# KiCad board 2x2RemotePanel.kicad_pcb (continued)
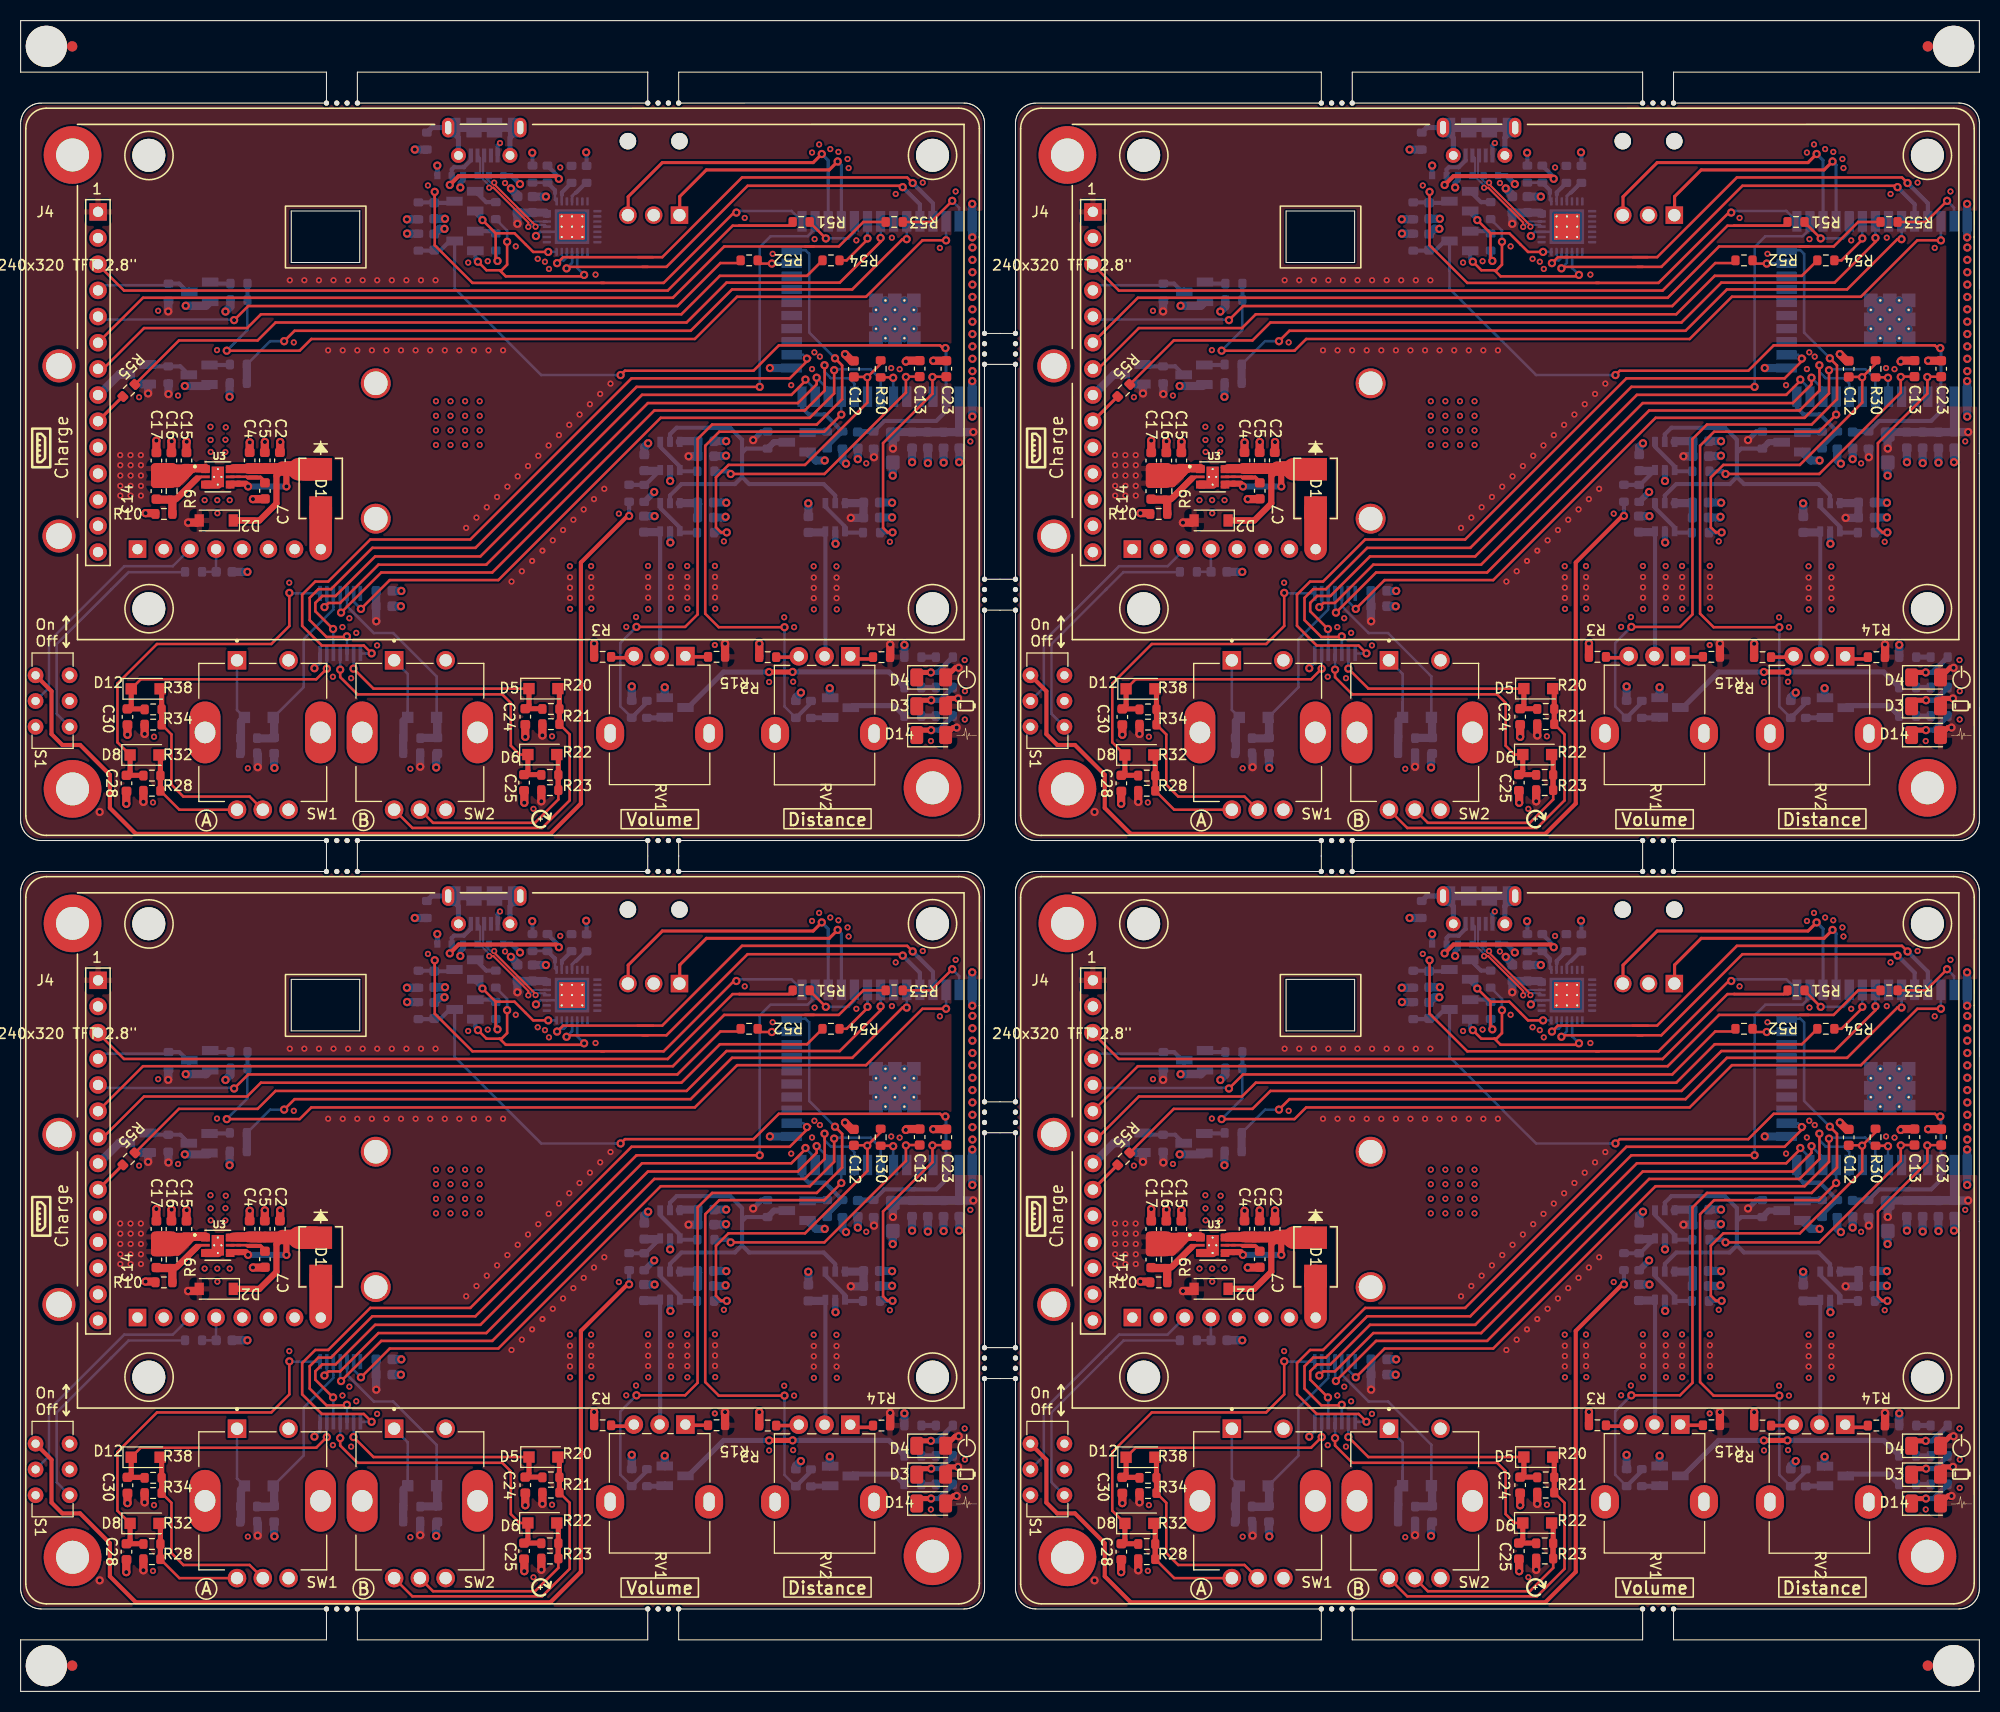
[diagram p0: board, top side]
## Routing (per net, layer and track width the routed paths; a pad name or vN(x,y) marks a point on that pad's centre or on a via; arc(x,y) is an arc through that point) (continued)
Board_2-+5V: length 4
  Top w0.25: 29.11,36.29 J1#2.8
  Top w2.2: D1.2 29.11,36.29
Board_2-/D+: length 10.5
  Top w0.2: v1(45.94,71.85) 45.94,71.7 49.95,67.69 v1(49.95,67.58)
  Bottom w0.2: J3#3.3 44.87,74.39 44.87,72.57 45.59,71.85 v1(45.94,71.85) ; v1(49.95,67.58) 50.13,67.76 50.86,67.76 U6#3.4
Board_2-/D-: length 11.4
  Top w0.2: v1(49.25,67.56) 49.25,67.98 45.87,71.36 v1(45.46,71.36)
  Bottom w0.2: U6#3.5 49.77,68.08 v1(49.25,67.56) ; D11#3.2 44.5,72.53 45.46,71.56 v1(45.46,71.36) ; J3#3.2 44.58,74.23 44.58,72.55 44.56,72.53
Board_2-ADC0: length 33.1
  Top w0.25: R30#4.1 83.43,54.27 v2(82.13,52.97) 82.1,53 ; 82.1,53 82.14,52.96 82.14,50.51 76.09,44.46 68.67,44.46 67.45,43.24 67.45,38.41 67.95,37.91 v2(68.5,37.91) 68.69,37.91 ; 82.1,53 C12.2
  Bottom w0.25: 68.48,37.89 v2(68.5,37.91) ; v2(82.13,52.97) 82.13,51.11 U7.9
  Bottom w0.4: R6.2 68.48,37.89
Board_2-ADC1: length 26.9
  Top w0.25: v2(85.88,52.99) 85.88,51.48 77.97,43.58 v2(68.88,43.58) ; v2(85.88,52.99) 85.86,53.01 ; v2(85.88,52.99) 85.91,53.03 C13#3.2
  Bottom w0.25: 68.83,43.53 v2(68.88,43.58) 68.88,43.6 ; U7.6 85.88,51.17 v2(85.88,52.99)
  Bottom w0.4: v2(68.88,43.58) 68.62,43.84 R7#3.2
Board_2-ADC2: length 22.2
  Top w0.25: v2(84.58,37.91) 84.1,37.91 83.66,38.35 83.66,46.58 88.45,51.37 v2(88.45,52.99) 88.48,53.02 C23#2.2
  Bottom w0.25: v2(88.45,52.99) 88.5,52.94 U7.4 ; 84.56,37.89 v2(84.58,37.91)
  Bottom w0.4: R16#4.2 84.56,37.89
Board_2-DTR: length 13.7
  Top w0.25: 46.08,66.94 47.91,66.94 49.72,65.13 v2(51.18,65.13) ; 46.08,66.94 46.08,64.43 v2(46.26,64.25) ; 46.08,66.94 v2(44.8,68.22)
  Bottom w0.25: v2(51.18,65.13) U6#3.28 ; 46.24,65.13 R45#2.1 ; Q5.2 44.11,68.91
  Bottom w0.4: 44.11,68.91 v2(44.8,68.22) ; v2(46.26,64.25) 46.1,64.41 R45#2.1
Board_2-EN_: length 79.9
  Top w0.25: v2(58.2,53.18) 58.62,53.6 71.09,53.6 73.55,56.06 89.19,56.06 89.68,55.57
  Top w0.3: v2(89.71,55.8) 89.68,55.77 89.68,55.57
  Bottom w0.25: 40.06,65.25 C35#4.2 ; v2(58.2,53.18) 50.5,53.18 42.1,61.57 Q6#2.3 41.63,66.19
  Bottom w0.3: v2(89.71,55.8) 89.77,55.74 U7.3 ; Q6#2.3 42.1,63.35
  Bottom w0.4: U7.3 89.77,49.67 88.83,48.73 86.38,48.73 ; C35#4.2 40.76,65.31 41.63,66.19 ; R48#4.2 40.06,65.25 ; 86.73,48.73 83.79,48.73 R26#3.2
  Bottom w0.5: 82.93,47.69 81.44,47.69
Board_2-Enc1A: length 72.7
  Top w0.25: v2(34.05,26.17) 33.29,26.93 29.22,26.93 27.31,28.84 27.31,31.87 28.58,33.14 29.84,33.14 33.92,37.22 43.62,37.22 59.26,52.86 74.61,52.86 76.58,54.83 76.32,54.83 v2(76.27,54.77)
  Bottom w0.25: U5#4.1 34.04,26.15 v2(34.05,26.17) ; v2(76.27,54.77) 75.9,55.14 U7.16
Board_2-Enc1A_: length 23.1
  Top w0.25: D5#2.1 34.23,22.75 v2(32.29,24.68)
  Top w0.5: R20#3.1 50.59,20.8 C24#2.1 49.32,21.16 D5#2.1
  Bottom w0.25: v2(32.29,24.68) 32.3,24.69 U5#4.2
Board_2-Enc1B: length 80.7
  Top w0.25: v2(31.65,27.82) 31.59,27.76 29.68,27.76 28.04,29.39 28.04,31.56 28.88,32.4 30.11,32.4 34.12,36.41 44.12,36.41 59.74,52.03 v2(71.69,52.03)
  Bottom w0.25: U7.26 77.07,67.37 76.35,66.64 72.74,66.64 71.69,65.6 v2(71.69,52.03) ; U5#4.3 31.66,27.8 v2(31.65,27.82)
Board_2-Enc1B_: length 29.8
  Top w0.25: D6#2.1 48.41,16.35 47.55,17.21 47.55,21.36 46.72,22.19 32.68,22.19 31,23.86 v2(31,24.59)
  Top w0.5: D6#2.1 49.21,14.77 C25.1 50.49,14.4 R22#2.1
  Bottom w0.25: v2(31,24.59) U5#4.4
Board_2-Enc2A: length 61.1
  Top w0.25: v2(77.22,52.92) 77.22,52.27 75.4,50.46 60.85,50.46 45.17,34.78 34.71,34.78 30.99,31.06 29.87,31.06 v2(29.47,30.65)
  Bottom w0.25: v2(29.47,30.65) 29.7,30.88 U5#4.9 ; U7.12 78.34,51.8 v2(77.22,52.92)
Board_2-Enc2A_: length 36.4
  Top w0.25: v2(26.07,32.04) 26.07,28.83 24.32,27.08 13.23,27.08 9.39,23.24 9.39,17.53 D8#2.1 ; 11.82,14.28 11.85,14.31
  Top w0.5: D8#2.1 10.62,14.68 C28.1 11.89,14.33 R28#3.1
  Bottom w0.25: v2(26.07,32.04) 26.11,32 U5#4.8
Board_2-Enc2B: length 64.3
  Top w0.25: v2(76.13,52.74) 76.13,52.62 74.76,51.26 60.28,51.26 44.6,35.58 34.39,35.58 30.55,31.74 29.26,31.74 28.59,31.07 28.59,30.25 v2(30.31,28.53)
  Bottom w0.25: v2(30.31,28.53) 30.34,28.5 U5#4.5 ; U7.13 77.07,51.8 v2(76.13,52.74)
Board_2-Enc2B_: length 26.9
  Top w0.25: v2(29.7,24.68) 28.68,23.65 11.66,23.65 D12#3.1
  Top w0.35: C30#3.1 10.39,20.75 11.97,20.75
  Top w0.5: C30#3.1 10.73,21.14 D12#3.1 ; C30#3.1 10.14,20.78 ; C30#3.1 11.98,20.78 R34#4.1
  Bottom w0.25: U5#4.6 v2(29.7,24.68)
Board_2-ESP32_RXD0: length 46.3
  Top w0.25: 59.88,64.62 62.24,64.62 69.98,72.36 85.99,72.36 v2(86.54,71.81) ; v2(52.04,64.04) 52.62,64.62 53.6,64.62 ; 61.34,64.62 53.21,64.62
  Bottom w0.25: v2(52.04,64.04) 52.31,64.31 52.69,64.31 52.99,64.61 U6#3.26
  Bottom w0.4: v2(86.54,71.81) 88.5,69.85 U7.35
Board_2-ESP32_TXD0: length 42.3
  Top w0.25: v2(85.57,71.41) 85.43,71.55 70.52,71.55 62.65,63.68 60.34,63.68 ; v2(52.96,63.53) 53.1,63.68 60.82,63.68
  Bottom w0.25: U6#3.25 53.49,64.06 v2(52.96,63.53)
  Bottom w0.4: U7.34 87.23,69.75 v2(85.57,71.41)
Board_2-GND: length 128.5
  Top w0.4: 17.71,42.67 17.71,42.44
  Top w0.8: C15#3.1 16.09,46.69 v2(16.11,46.71) ; v2(10.25,11.58) 10.25,12.76 C28.2 ; 71.66,25.73 v2(71.66,27.1) ; v2(14.65,46.76) 14.63,46.74 C16.1 ; 13.07,39.78 v2(12.12,39.78) ; C23#2.1 v2(88.53,54.57) ; 23.67,41.14 v2(22.54,41.14) ; 48.96,19.27 v2(48.96,18.07) ; v2(85.87,54.49) 85.95,54.58 C13#3.1 ; C17#3.1 v2(13.17,46.82) ; 55.63,25.75 v2(55.63,27.12) ; 48.86,12.77 v2(48.86,11.67) ; C30#3.2 v2(10.37,18.28) ; 25.18,45.64 v2(25.18,46.68) ; C12.1 80.63,54.55 v2(79.97,55.2) ; 19.17,42.55 17.91,42.55 ; C4#3.1 22.22,46.64 ; C5#4.1 23.69,46.68
  Bottom w0.25: U6#3.29 52.99,67.08 U6#3.3 50.39,67.08 v2(49.99,66.67) ; C6#4.1 60.86,45.45 ; R5#3.2 60.5,40.87 ; 40.12,68.33 40.03,68.33 ; 18.38,52.2 18.33,52.15
  Bottom w0.3: 18.43,52.15 18.38,52.2 ; v2(28.5,24.73) 29.04,25.27 U5#4.7 ; 20.3,52.2 20.25,52.15
  Bottom w0.4: v2(49.63,74.76) 49.66,74.73 R37#4.2 ; J3#3.5 46.27,75.46 v1(46.5,75.69) ; v2(54.86,74.8) 54.9,74.76 R41#4.2
  Bottom w0.5: D10.1 47.63,72.53 v2(48.44,71.71) ; D9#4.1 v2(40.42,73.51) ; D11#3.1 42.92,72.09 42.65,71.82 v2(42.65,71.38)
  Bottom w0.6: 79.03,38.06 79.03,36.82 ; 63.01,44.13 v2(63.01,42.9) ; 60.5,40.87 v2(61.46,41.83) ; 63.01,38.18 63.01,36.95
  Bottom w0.8: 92.32,50.89 v2(92.32,52.59) ; R27.1 v2(38.24,75.06) ; U7.39_12 U7.39_14 U7.39_13 85.73,57.67 ; C3#4.1 v2(61.5,39.49) ; 24.59,16.37 24.59,15.08 v2(24.63,15.05) ; C6#4.1 60.5,46.19 v2(60.87,46.56) ; 83.89,57.67 U7.39_7 ; 83.89,57.67 U7.39_8 ; 83.89,57.67 U7.39_15 85.73,57.67 ; v2(78,44.89) 77.16,44.89 Q2#2.2 76.44,45.61 ; C31.1 v2(50.96,70.5) ; U7.39_10 U7.39_20 ; v2(92.32,49.15) 92.32,51.08 ; v2(40.31,15.09) 40.31,16.4 40.35,16.44 ; v2(68.43,45.35) 68.4,45.32 67.21,45.32 ; v2(41.12,67.37) 40.63,67.37 C35#4.1 ; v2(37.49,66.91) 37.5,66.9 R48#4.1 ; Q4#4.2 17.99,59.9 v2(16.02,59.9) ; 63.01,36.95 v2(63.03,36.93) ; R13#2.2 v2(85.73,26.99) ; R47#3.2 v2(37.48,68.29) ; v2(75.69,22.36) 75.22,21.89 75.22,21.84 ; 18.19,52.12 v2(15.93,52.12) ; C9#4.2 68.43,40.81 v2(68.45,40.79) ; 78.49,21.84 v2(78.49,22.79) ; C29#2.1 48.2,70.65 v2(47.56,71.29) ; C38#4.2 v2(41.17,68.34) ; U7.39_11 86.6,59.55 86.41,59.55 86.37,59.5 U7.39_21 ; 83.28,39.35 84.51,39.35 v2(84.53,39.37) ; 76.42,39.4 76.42,40.71 v2(76.4,40.73) ; C34#3.1 89.53,44.69 ; 85.73,57.67 U7.39_1 ; 74.11,53.86 72.74,53.86 ; U7.39_5 U7.39_18 U7.39_19 U7.39_17 ; C8.2 68.31,39.35 v2(68.39,39.42) ; C36.1 88,44.64 ; 92.32,68.24 v2(92.32,66.54) ; U7.39_9 83.89,59.5 U7.39_16 85.73,59.5 U7.39_3 ; 83.28,40.81 84.51,40.81 v2(84.53,40.79) ; v2(20.27,51.07) 20.27,52.37 ; v2(59.28,22.95) 59.28,22.95 R12#2.2 ; C33.1 91.06,44.73 ; v2(19.87,59.34) 20.36,59.83 R42.2 ; U7.38 v2(92.31,69.79) ; 79.03,36.82 v2(79.05,36.8) ; v2(80.07,44.58) 79.72,44.93 79.72,46 ; 84.6,44.78 v2(84.6,43.42) ; C1#2.2 v2(22,34.08) ; 35.99,30.74 v2(36.89,30.74) ; Q1#3.2 v2(62.48,22.88) ; 67.21,46.78 68.42,46.78 v2(68.44,46.76) ; C26#2.1 v2(81.21,45.02) ; C22#3.2 v2(36.93,32.23) ; C37.1 86.47,44.72
  vias: v1(11.49,51.03) v1(12.84,11.7) v1(12.94,18.08) v1(13.34,59.42) v1(15.27,51.19) v1(17.85,41.04) v1(18.42,48.16) v1(18.43,46.88) v1(18.44,45.72) v1(19.05,55.6) v1(19.08,41.04) v1(19.09,39.77) v1(19.9,48.11) v1(19.87,46.9) v1(19.86,45.71) v1(20.28,41.04) v1(22.04,15.02) v1(26.06,33.03) v1(26.5,56.35) v1(30.29,23.9) v1(31.22,28.72) v1(31.89,29.58) v1(32.06,23.76) v1(32.56,28.16) v1(34.58,26.94) v1(37.81,14.97) v1(39.51,71.58) v1(40.29,50.64) v1(40.29,49.22) v1(40.29,47.81) v1(40.29,46.39) v1(41.7,50.64) v1(41.7,49.22) v1(41.7,47.81) v1(41.7,46.39) v1(43.12,50.64) v1(43.12,49.22) v1(43.12,47.81) v1(43.12,46.39) v1(43.42,64.09) v1(44.53,50.64) v1(44.53,49.22) v1(44.53,47.81) v1(44.53,46.39) v1(45.31,64.23) v1(46.99,71.81) v1(48.03,65.67) v1(49.75,11.08) v1(50.16,64.46) v1(50.86,64.18) v1(51.25,63.48) v1(51.55,18.12) v1(52.35,73.32) v1(53.28,34.63) v1(53.3,30.49) v1(55.34,34.64) v1(55.37,30.51) v1(55.77,62.93) v1(58.03,39.72) v1(58.75,28.74) v1(59.7,29.69) v1(60.86,34.65) v1(60.88,30.49) v1(63.07,34.64) v1(63.1,30.49) v1(64.66,34.65) v1(64.68,30.49) v1(67.35,34.66) v1(67.38,30.51) v1(68.22,37.04) v1(70.24,68.43) v1(72.61,23.39) v1(72.95,64.94) v1(74.07,29.67) v1(74.75,52.2) v1(74.94,23.42) v1(75.03,28.71) v1(76.77,74.77) v1(76.77,53.76) v1(76.93,34.62) v1(76.95,30.44) v1(77.02,66.37) v1(77,55.38) v1(77.46,75.56) v1(77.53,54.97) v1(78.54,75.11) v1(79.14,34.61) v1(79.17,30.44) v1(79.33,74.84) v1(80.22,74.15) v1(80.32,73.27) v1(81.07,66.25) v1(82.03,44.61) v1(84.32,37) v1(84.45,53.86) v1(84.52,66.51) v1(84.89,70.75) v1(85.27,53.75) v1(87.51,71.86) v1(88.3,17.66) v1(89.17,65.52) v1(90.7,71) v1(91.58,25.52) v1(91.6,22.5) v1(91.59,19.75) v1(92.13,46.74) v2(22.23,46.65) v2(23.7,46.69) v2(72.69,53.86) v2(86.48,44.72) v2(88.01,44.63) v2(89.54,44.68) v2(91.04,44.72) v2(92.33,65.56) v2(92.33,64.36) v2(92.33,63.16) v2(92.33,61.96) v2(92.33,60.76) v2(92.33,59.56) v2(92.33,58.36) v2(92.33,57.16) v2(92.33,55.96) v2(92.33,54.76) v2(92.33,53.56) v3(67.34,26.98)
Board_2-IO0: length 51.2
  Top w0.25: 56.31,62.12 62.38,62.12 69.2,68.95 v2(69.43,68.95) ; v2(40.17,70.96) 40.17,65.78 43.82,62.12 56.61,62.12
  Bottom w0.25: v2(69.43,68.95) 69.58,69.1 74.79,69.1 U7.25 75.8,68.72 ; 40.07,69.94 C38#4.1 40.12,70.91 v2(40.17,70.96) ; 41.93,69.89 Q5.3
  Bottom w0.4: R47#3.1 40.07,69.94 ; C38#4.1 41.93,69.89
Board_2-LB: length 52.2
  Top w0.25: v2(74.1,28.71) 67.72,28.71 66.41,30.02 66.41,46.31 67.77,47.68 77.95,47.68 v2(79.61,49.34)
  Bottom w0.25: 75.21,20.21 75.52,20.21 ; U7.11 v2(79.61,49.34) 79.57,49.34 ; R29.1 74.1,21.01 v2(74.1,28.71) ; 76.67,21.36 R31#3.1
  Bottom w0.4: 75.52,20.21 76.67,21.36
Board_2-MCU_HB: length 69.2
  Top w0.25: v2(79,54.8) 79.69,54.11 79.69,50.84 77.23,48.38 67.08,48.38 65.67,46.97 65.67,29.95 64.46,28.74 v2(59.74,28.74)
  Bottom w0.25: v2(79,54.8) 76.5,57.3 76.5,64.94 76.14,65.3 U7.24 74.49,65.62 ; R11.1 60.75,21.4 ; v2(59.74,28.74) 58.18,27.18 58.18,21.02 R12#2.1
  Bottom w0.4: 60.75,21.4 R12#2.1 59.46,19.74
Board_2-Net-(C1-Pad1): length 3.6
  Bottom w0.25: R1#3.1 C1#2.1 18.96,34.09 J1#2.4
Board_2-Net-(C3-Pad2): length 14.1
  Bottom w0.25: 62.04,25.45 61.99,25.4 ; U1#3.3 61.94,38.02 ; U1#3.3 62.06,38 ; U1#3.3 62.04,38.01 ; U1#3.3 62.02,37.99 ; U1#3.3 61.98,37.95
  Bottom w0.4: U1#3.3 62.04,25.45
  Bottom w0.8: 60.63,37.94 61.83,37.94
Board_2-Net-(C6-Pad2): length 5.9
  Bottom w0.25: 60.68,42.7 R5#3.1 ; 62.04,44.26 U2#2.3 ; 61.73,43.65 61.38,43.3 ; 59.04,42.52 R4.2
  Bottom w0.4: U2#2.3 60.6,42.52 R5#3.1 59.04,42.52
  Bottom w0.8: 60.56,43.89 61.76,43.89
Board_2-Net-(C7-Pad2): length 6.8
  Top w0.25: 23.48,43.1 23.37,43.21 ; 23.25,43.17 22.17,43.17 ; 21.93,43.28 22.04,43.17 23.12,43.17 ; 21.31,43.31 20.39,43.31 ; 23.38,43.2 23.27,43.31 ; 23.26,43.31 22.18,43.31 ; 23.52,43.06 23.41,43.17 ; 22.95,43.31 21.87,43.31 ; 21.9,43.31 20.98,43.31
Board_2-Net-(C14-Pad1): length 8.9
  Top w0.23: 17.13,42.9 17.47,43.25 ; 17.02,43.32 17.51,43.32
  Top w0.6: 15.1,41.14 16.92,42.95 ; 15.27,41.31 17.09,43.13 ; 14.63,41.14 14.65,41.14
  Top w0.8: R10#2.2 14.72,39.7 14.72,41.05 ; 13.17,41.09 14.58,41.09
Board_2-Net-(C18-Pad2): length 14.3
  Bottom w0.25: 77.96,37.9 U4.3 ; 77.99,25.67 77.99,25.38 78.07,25.47
  Bottom w0.4: U4.3 78.07,25.47
  Bottom w0.8: 76.67,37.91 77.87,37.91
Board_2-Net-(D3-Pad1): length 4.3
  Top w0.25: 87.51,21.62 D3#3.1
  Top w0.5: v2(88.33,21.62) 87.51,21.62
  Bottom w0.5: R8#3.1 89.19,21.62 v2(88.33,21.62)
Board_2-Net-(D4-Pad1): length 4.3
  Top w0.25: 87.41,24.32 D4.1
  Top w0.5: v2(88.3,24.32) 87.41,24.32
  Bottom w0.5: R58#2.1 88.94,24.32 v2(88.3,24.32)
Board_2-Net-(D5-Pad2): length 30.3
  Top w0.25: R21#4.2 53.26,18.3 53.26,11.9 50.59,9.22 38,9.22 SW2.A
  Top w0.35: 52.16,20.75 52.18,20.77 ; 52.18,19.3 52.16,19.27
  Top w0.5: R21#4.2 52.27,22.6 D5#2.2
Board_2-Net-(D6-Pad2): length 20.8
  Top w0.25: SW2.C 40.01,9.72 49.9,9.72 52.16,11.99 R23#3.2
  Top w0.35: 52.07,14.32 52.08,14.32 52.08,12.8
  Top w0.5: D6#2.2 52.16,16.19 R23#3.2
Board_2-Net-(D8-Pad2): length 13.3
  Top w0.25: R32#3.2 15.4,10.99 SW1#4.A
  Top w0.35: 13.5,12.78 13.5,14.31
  Top w0.5: D8#2.2 13.56,16.16 R32#3.2
Board_2-Net-(D12-Pad2): length 21.1
  Top w0.25: SW1#4.C 22.22,12.27 15.79,12.27 14.63,13.43 14.63,18.3 R38#3.2
  Top w0.35: 13.62,19.25 13.62,20.75
  Top w0.5: D12#3.2 13.68,22.58 R38#3.2
Board_2-Net-(D14-Pad1): length 4.3
  Top w0.25: 87.41,18.72 D14#4.1
  Top w0.5: v2(88.32,18.72) 87.41,18.72
  Bottom w0.5: v2(88.32,18.72) 89.06,18.72 R40#3.1
Board_2-Net-(J3-Pad6): length 28.7
  Bottom w0.5: J3#3.6 J3#3.6 ; J3#3.6 J3#3.6 ; J3#3.6 J3#3.6 47.47,76.19 J3#3.6 ; J3#3.6 39.89,77.19 R27.2 ; J3#3.6 J3#3.6 ; J3#3.6 42.47,76.19 J3#3.6
  Bottom w0.8: 43.34,77.19 45.84,77.19 43.94,77.19 ; 45.36,77.2 47.86,77.2 45.96,77.2 ; J3#3.6 J3#3.6 J3#3.6
Board_2-Net-(J4-Pad3): length 76.8
  Top w0.25: 69.7,67.69 69.72,67.67 74.94,67.67 74.96,67.69 ; 74.9,68.03 R51#3.2 74.53,67.67 69.07,67.67 62.77,61.38 10.03,61.38 7.51,63.9 J4.3 ; J4.3 7.64,63.81 ; J4.3 7.53,63.96
  Top w0.35: 7.64,63.81 7.72,63.89
Board_2-Net-(J4-Pad4): length 9.6
  Bottom w0.25: 14.2,61.9 8.01,61.9
  Bottom w0.3: 8.01,61.9 J4.4
  Bottom w0.4: R46#2.2 15.39,62.05 16.19,61.25 Q4#4.3
  Bottom w0.5: 14.2,61.9 R46#2.2 14.35,61.98
  Bottom w0.8: 16.35,61.28 Q4#4.3
Board_2-Net-(J4-Pad5): length 65
  Top w0.25: 20.68,58.36 20.71,58.39 v2(20.71,58.51) 22.08,59.88 63.71,59.88 67.88,64.05 69.59,64.05 R52.2
  Bottom w0.25: J4.5 7.8,58.57 20.65,58.57 v2(20.71,58.51)
Board_2-Net-(J4-Pad6): length 82.1
  Top w0.25: R53.2 81.75,68.04 79.37,65.66 76.08,65.66 ; J4.6 11.87,60.68 63.27,60.68 68.25,65.66 76.96,65.66
Board_2-Net-(J4-Pad7): length 75.2
  Top w0.25: J4.7 8.01,53.77 11.97,57.74 21.97,57.74 23.31,59.08 64.1,59.08 67.83,62.81 76.29,62.81 77.92,64.44 ; 7.9,53.77 7.56,53.77
Board_2-Net-(J4-Pad9): length 3.4
  Top w0.25: R55#3.2 9.91,51.1
  Top w0.3: 9.91,51.1 J4.9
Board_2-Net-(Q1-Pad1): length 1.8
  Bottom w0.25: 62.43,19.91 Q1#3.1
  Bottom w0.5: R11.2 62.43,19.91
  Bottom w0.8: 62.46,19.94 Q1#3.1
Board_2-Net-(Q1-Pad3): length 23.3
  Top w0.5: v2(74.88,24.36) 74.88,24.36 v2(72.6,24.36)
  Bottom w0.5: v2(74.88,24.36) 84.22,24.36 R57#4.2 ; Q1#3.3 64.75,20.92 68.19,24.36 v2(72.6,24.36)
Board_2-Net-(Q2-Pad1): length 1.9
  Bottom w0.25: 76.41,47.69 Q2#2.1
  Bottom w0.6: R18#4.2 76.41,47.69
Board_2-Net-(Q3-Pad1): length 2.1
  Bottom w0.25: R31#3.2 76.94,20.18 ; 78.3,20.18 Q3#4.1
  Bottom w0.5: 76.78,19.92 78.14,19.92
Board_2-Net-(Q3-Pad3): length 5.7
  Bottom w0.5: R59#4.2 84.71,21.1 80.73,21.1 Q3#4.3
Board_2-Net-(Q4-Pad1): length 2
  Bottom w0.25: 18.54,62.05 Q4#4.1
  Bottom w0.4: R43#4.2 18.54,62.05
Board_2-Net-(Q5-Pad1): length 2.4
  Bottom w0.4: R44#3.2 45.16,69.95 Q5.1
Board_2-Net-(Q6-Pad1): length 2.1
  Bottom w0.25: 45.88,67.14 R45#2.2
  Bottom w0.4: Q6#2.1 45.88,67.14
Board_2-Net-(Q7-Pad1): length 1.8
  Bottom w0.4: 20.25,54.15 18.43,54.15
Board_2-Net-(Q7-Pad3): length 4.2
  Bottom w0.4: 12.5,54.03 15.49,54.03 Q7#3.3
Board_2-Net-(R1-Pad2): length 24.5
  Bottom w0.25: 8.85,32.43 10.48,34.05 15.93,34.05 R1#3.2 ; 8.85,32.43 3.5,27.08 3.5,20.29 S1.6 ; 8.85,32.43 8.75,32.33 ; 4.75,19.33 4.75,18.85
Board_2-Net-(R2-Pad2): length 2.4
  Top w0.35: 64.49,25.4 64.91,25.83 R2#4.2
Board_2-Net-(R3-Pad1): length 2.3
  Top w0.35: 59.49,25.4 59.15,25.74 57.37,25.74
Board_2-Net-(R4-Pad1): length 96.1
  Top w0.25: v2(59.03,39.5) 58.87,39.5
  Top w0.4: 58.87,39.5 54.35,34.99 54.35,11.6 51.4,8.65 11.18,8.65 8.66,11.17 8.66,14.39 5.77,17.28 4.05,17.28 3,18.33 3,22.49 S1.1
  Bottom w0.4: R4.1 v2(59.03,39.5)
Board_2-Net-(R6-Pad1): length 5.2
  Bottom w0.25: 63.94,38.4 U1#3.1 64.07,37.89 ; U1#3.4 62.04,40.3
  Bottom w0.4: 62.04,40.3 63.94,38.4 ; R6.1 64.07,37.89
Board_2-Net-(R7-Pad1): length 5.3
  Bottom w0.25: 63.94,44.32 U2#2.1 64.06,43.84 ; U2#2.4 62.04,46.22
  Bottom w0.4: R7#3.1 64.06,43.84 ; 62.04,46.22 63.94,44.32
Board_2-Net-(R13-Pad1): length 1.4
  Bottom w0.5: R13#2.1 R58#2.2
Board_2-Net-(R14-Pad2): length 2.4
  Top w0.35: R14#4.2 82.51,25.63 80.73,25.63 80.49,25.38
Board_2-Net-(R15-Pad1): length 2.4
  Top w0.35: 75.49,25.38 75.07,25.8 R15#3.1
Board_2-Net-(R16-Pad1): length 5.3
  Bottom w0.25: U4.4 78.07,40.38 ; 79.97,38.48 U4.1 80.09,37.89
  Bottom w0.4: 78.07,40.38 79.97,38.48 ; R16#4.1 80.09,37.89
Board_2-Net-(R30-Pad2): length 3.1
  Top w0.25: R30#4.2 84.6,52.96 v2(84.64,52.92)
  Bottom w0.25: v2(84.64,52.92) 84.64,51.14 U7.7
Board_2-Net-(R35-Pad1): length 3.6
  Bottom w0.25: U6#3.8 51.84,70.18 51.84,70.81 ; R37#4.1 R35#2.1
  Bottom w0.4: R35#2.1 51.84,71.12 51.84,70.81
Board_2-Net-(R39-Pad2): length 2.3
  Bottom w0.25: R39#3.2 53.36,71.76 ; 52.51,70.67 52.49,70.65 U6#3.9
  Bottom w0.4: 52.51,70.67 52.51,70.91 R39#3.2
Board_2-Net-(R40-Pad2): length 1.4
  Bottom w0.5: R59#4.1 R40#3.2
Board_2-Net-(R41-Pad1): length 2.5
  Bottom w0.25: R41#4.1 54.8,71.83 ; U6#3.11 53.49,70.54 ; 53.87,70.88 53.82,70.88
  Bottom w0.3: 53.82,70.88 53.49,70.54
  Bottom w0.4: 53.87,70.88 54.83,71.83 54.8,71.83
Board_2-Net-(R57-Pad1): length 1.4
  Bottom w0.5: R57#4.1 R8#3.2
Board_2-OA_LP: length 8.2
  Bottom w0.25: R18#4.1 78.24,46.21
  Bottom w0.4: 78.24,46.21 R19#3.1 78.04,49.37 76.44,49.37 75.8,50.01 U7.14
Board_2-PD#: length 38.6
  Bottom w0.25: 69.98,43.29 69.98,44.37 ; 69.99,46.9 69.99,45.64 ; 69.72,47.17 69.98,46.91
  Bottom w0.4: 69.98,46.91 69.98,43.29 ; 69.98,43.29 69.29,42.6 64.1,42.6 62.99,41.48 U1#3.5 ; 69.98,43.29 70.67,42.6 77.9,42.6 79.02,41.48 U4.5 ; R17.2 70.39,46.04 69.99,45.64 ; 69.99,46.9 68.82,48.07 63.63,48.07 62.99,47.43 U2#2.5
  Bottom w0.6: Q2#2.3 73.08,46.66 R17.2
Board_2-RTS: length 20.4
  Top w0.25: v2(44.36,64.18) 45.19,63.35 46.47,63.35 ; 46.47,63.35 46.65,63.35 47.19,63.89 v2(47.19,66.11) ; 46.47,63.35 47.06,62.76 54.52,62.76 v2(54.66,62.9)
  Bottom w0.25: U6#3.24 53.99,63.57 v2(54.66,62.9) ; R44#3.1 47.19,67.2 v2(47.19,66.11)
  Bottom w0.4: v2(44.36,64.18) 44.12,64.42 Q6#2.2
Board_2-RX2: length 24
  Top w0.3: 63.94,69.18 63.94,70.5 66.52,73.09 78.44,73.09 v2(79.26,73.91)
  Bottom w0.3: U7.28 79.61,73.55 v2(79.26,73.91)
Board_2-Sel1: length 65.3
  Top w0.25: v2(33.01,30.48) 35.81,33.28 46.34,33.28 62.09,49.03 76.55,49.03 78.92,51.39 v2(78.92,53.65)
  Bottom w0.25: v2(33.01,30.48) 32.3,31.19 U5#4.13 ; U7.8 83.42,52.77 82.45,53.75 79.02,53.75 v2(78.92,53.65)
Board_2-Sel1_: length 12.1
  Bottom w0.25: 37.55,21.46 D7#4.2 37.55,24.18 SW2.1
  Bottom w0.35: R24#2.2 37.11,17.92 R25#3.1
  Bottom w0.8: 37.11,16.54 37.11,18.01 ; 37.14,18.06 37.14,19.61
Board_2-Sel1_Filt: length 19.8
  Bottom w0.25: D7#4.1 40.35,23.93 36.14,28.14 34.26,28.14 31.66,30.73 U5#4.12
  Bottom w0.8: 40.41,19.69 40.41,18.14 ; 40.35,17.99 40.33,17.96 38.89,17.96
Board_2-Sel2: length 66.4
  Top w0.25: v2(77.98,54.13) 77.99,54.12 77.99,51.67 76.06,49.74 61.47,49.74 45.75,34.02 34.98,34.02 v2(31.09,30.12)
  Bottom w0.25: v2(31.09,30.12) 31,30.21 U5#4.11 ; v2(77.98,54.13) 77.98,53.48 78.59,52.87 80.34,52.87 80.88,52.34 U7.10 80.88,50.16
Board_2-Sel2_: length 10.4
  Bottom w0.25: SW1#4.1 20.99,20.67 D13.2
  Bottom w0.35: 21.35,16.42 21.35,17.93 21.37,17.95
  Bottom w0.8: 21.38,16.45 21.38,17.92 ; 21.38,18.02 21.38,19.57
Board_2-Sel2_Filt: length 17.6
  Bottom w0.25: D13.1 27.45,22.88 27.45,27.54 30.34,30.43 30.34,30.7 30.34,30.7 U5#4.10
  Bottom w0.8: 23.05,17.92 24.6,17.92 ; 24.6,19.65 24.6,18.1
Board_2-TFT_CS~: length 6.3
  Top w0.25: R51#3.1 76.55,68 v2(78.11,66.44)
  Bottom w0.25: v2(78.11,66.44) 80.31,66.44 80.88,67.01 U7.29
Board_2-TFT_DC: length 3.4
  Top w0.25: R52.1 71.81,63.99 v2(72.88,63.99)
  Bottom w0.25: U7.23 72.91,64.03 v2(72.88,63.99)
Board_2-TFT_LED: length 3.6
  Bottom w0.8: Q8.3 9.57,53.25 7.56,51.24
Board_2-TFT_MISO: length 80
  Top w0.25: v2(83.42,66.49) 83.42,66.11 79.46,62.15 68.47,62.15 64.6,58.28 24.73,58.28 22.99,56.54 15.36,56.54 R55#3.1
  Bottom w0.25: U7.31 v2(83.42,66.49)
Board_2-TFT_MOSI: length 7.9
  Top w0.25: R53.1 88.32,68.04 v2(90.37,70.09)
  Bottom w0.25: v2(90.37,70.09) 91.04,69.42 U7.37
Board_2-TFT_ON/PWM_BL_CTRL: length 74.6
  Top w0.25: v2(85.95,66.36) 85.55,66.36 80.67,61.49 69.01,61.49 65,57.48 26.58,57.48 v2(25.56,56.46)
  Bottom w0.25: v2(25.56,56.46) 24.21,56.46 R50#3.1 ; v2(85.95,66.36) 85.96,66.37 U7.33
  Bottom w0.35: 21.95,52.2 R50#3.1
  Bottom w0.8: R50#3.1 R49#4.1
Board_2-TFT_RST: length 83.4
  Top w0.25: v2(20,55.54) 27.07,55.54 28.2,56.68 65.4,56.68 69.5,60.78 82.01,60.78 87.48,66.25 v2(89.77,66.25) 89.77,66.25
  Bottom w0.25: v2(89.77,66.25) 89.77,66.25 U7.36 ; v2(20,55.54) 22.01,57.55 R42.1
  Bottom w0.4: R42.1 R43#4.1
Board_2-TFT_SCK: length 5.3
  Top w0.25: v2(82.15,66.44) 82.15,66.33 80.12,64.31 R54#2.1
  Bottom w0.25: U7.30 v2(82.15,66.44)
Board_2-TX2: length 28.6
  Top w0.3: 58.94,69.18 58.94,70.48 62.25,73.8 76.88,73.8 v2(77.71,74.63)
  Bottom w0.3: v2(77.71,74.63) 78.34,74.01 U7.27
Board_2-VBAT: length 24.2
  Top w0.25: 1.9,21.58 1.45,21.58
  Bottom w0.25: J1#2.3 14.76,34.63 10.05,34.63 2.75,27.33 2.75,22.84 S1.2
Board_2-VBUS: length 17.4
  Top w0.4: v2(52.21,72.22) 51.95,72.49 42.49,72.49 v2(41.63,71.63)
  Bottom w0.25: J3#3.1 43.67,74.02 ; 41.77,73.08 42.04,73.35
  Bottom w0.4: R35#2.2 52.21,72.39 v2(52.21,72.22) ; 43.67,74.02 43,73.35 42.04,73.35 41.82,73.13 41.82,71.82 v2(41.63,71.63)
Board_3-+3V3: length 86.5
  Top w0.25: 109.67,42.74 C17#2.2 ; 111.13,42.69 C16#2.2 ; D3.2 186.23,21.53
  Top w0.5: D4#3.2 187.16,24.76 v2(187.5,24.76) ; D14#3.2 186.96,18.97 v2(187.3,18.97) ; 186.23,21.53 186.5,21.79 v2(187.44,21.79) ; 114.6,43.93 114.6,44.16 ; 114.61,43.96 114.61,44.19
  Top w0.8: 114.02,44.14 113.28,44.14 113.24,44.11 113.04,44.11 ; R21#2.1 v2(147.12,18.21) ; R23#2.1 v2(147.02,11.81) ; v2(108.54,18.35) 108.54,19.25 R38#4.1 ; 111.58,44.11 113.04,44.11 ; 113.04,44.11 112.99,44.06 ; 114.45,44.15 113.71,44.15 ; 109.54,42.64 111,42.64 ; C16#2.2 C17#2.2 ; 164.84,25.86 v2(164.84,27.11) ; 111.1,42.74 109.64,42.74 ; 114.32,44.15 113.58,44.15 ; D2#2.2 113.62,38.86 v2(112.75,38.86) ; 109.55,42.65 109.55,44.11 ; 111.27,42.97 112.32,44.02 ; 111.15,43.44 109.69,43.44 ; 109.55,42.68 109.55,44.14 ; 109.75,42.64 111.21,42.64 ; 180.86,25.76 180.86,27.01 ; 111.01,44.24 109.55,44.24 ; 111.22,43.82 112.68,43.82 ; 112.12,43.09 113.15,44.12 ; R32#4.1 v2(108.41,11.76) ; 112.76,43.73 111.71,42.69 111.13,42.69 ; 111.21,42.73 111.21,44.19 ; 111.26,44.24 109.8,44.24
  Bottom w0.25: 147.41,68.95 U6#4.7 ; 181.11,46.05 v2(181.12,46.04) ; 110.82,60.37 R46.1 ; 109,52.03 108.82,52.2
  Bottom w0.4: 147.74,68.98 147.74,68.66
  Bottom w0.5: v2(167.56,46.87) 168.38,47.69 R17#4.1
  Bottom w0.8: 147.49,68.85 147.52,68.85 ; U1#2.6 162.15,40.75 162.21,40.68 162.21,39.41 ; U2#4.6 160.51,46.76 C11#3.1 162.21,45.3 C10#2.1 v2(161.3,45.3) ; 176.5,40.75 178.21,40.75 ; C22#2.1 130.99,29.3 v2(131,29.29) ; 179.28,46.01 v2(179.28,45.21) ; 187.54,47.97 U7#4.2 ; v2(144.69,67.86) 144.7,67.87 C29#4.2 C31#3.2 147.41,68.95 ; 181.32,47.65 185.91,47.65 ; 178.31,39.32 v2(177.04,39.32) ; C37#2.2 187.56,47.64 ; C20#4.1 C19#3.1 ; R24#4.1 v2(135.27,15.16) ; 184.33,47.65 v2(188.92,47.65) ; 108.87,52.3 v2(108.87,51.4) ; v2(110.82,59.36) 110.82,60.37 ; v2(110.84,51.34) 110.84,52.36 ; C39#4.1 181.11,46.05 ; 119.5,16.42 v2(119.5,15.12)
  vias: v1(106.16,45.41) v1(106.17,44.43) v1(106.17,43.43) v1(106.17,42.43) v1(106.17,41.48) v1(107.16,45.41) v1(107.17,44.43) v1(107.17,43.43) v1(107.17,42.43) v1(107.17,41.48) v1(108.16,45.41) v1(108.17,44.43) v1(108.17,43.43) v1(108.17,42.43) v1(108.17,41.48) v1(122.61,62.38) v1(124.03,62.38) v1(125.44,62.38) v1(126.34,55.58) v1(126.86,62.38) v1(127.75,55.58) v1(128.27,62.38) v1(129.16,55.58) v1(129.68,62.38) v1(130.58,55.58) v1(131.1,62.38) v1(131.99,55.58) v1(132.51,62.38) v1(133.41,55.58) v1(133.93,62.38) v1(134.82,55.58) v1(135.34,62.38) v1(136.23,55.58) v1(136.75,62.38) v1(137.65,55.58) v1(139.06,55.58) v1(139.72,38.35) v1(140.48,55.58) v1(140.72,39.35) v1(141.72,40.35) v1(141.89,55.58) v1(142.72,41.35) v1(143.3,55.58) v1(143.72,42.35) v1(144.12,33.14) v1(144.72,43.35) v1(145.12,34.14) v1(145.72,44.35) v1(146.72,45.35) v1(147.72,46.35) v1(148.12,37.14) v1(148.72,47.35) v1(149.12,38.14) v1(149.72,48.35) v1(149.79,33.55) v1(149.79,32.55) v1(149.79,31.55) v1(150.12,39.14) v1(150.72,49.35) v1(151.12,40.14) v1(151.72,50.35) v1(151.85,33.57) v1(151.85,32.57) v1(151.85,31.57) v1(152.12,41.14) v1(152.72,51.35) v1(153.12,42.14) v1(153.72,52.35) v1(157.37,33.58) v1(157.37,32.58) v1(157.37,31.58) v1(159.58,33.58) v1(159.58,32.58) v1(159.58,31.58) v1(161.17,33.58) v1(161.17,32.58) v1(161.17,31.58) v1(163.86,33.6) v1(163.86,32.6) v1(163.86,31.6) v1(173.44,33.53) v1(173.44,32.53) v1(173.44,31.53) v1(175.65,33.53) v1(175.65,32.53) v1(175.65,31.53) v2(104.17,10.78) v2(180.85,27.03) v3(146.12,35.14) v3(147.12,36.14)
